# Altium PCB HMI_F767_V1.0_edited.PcbDoc (part 3 of 3) (continued)
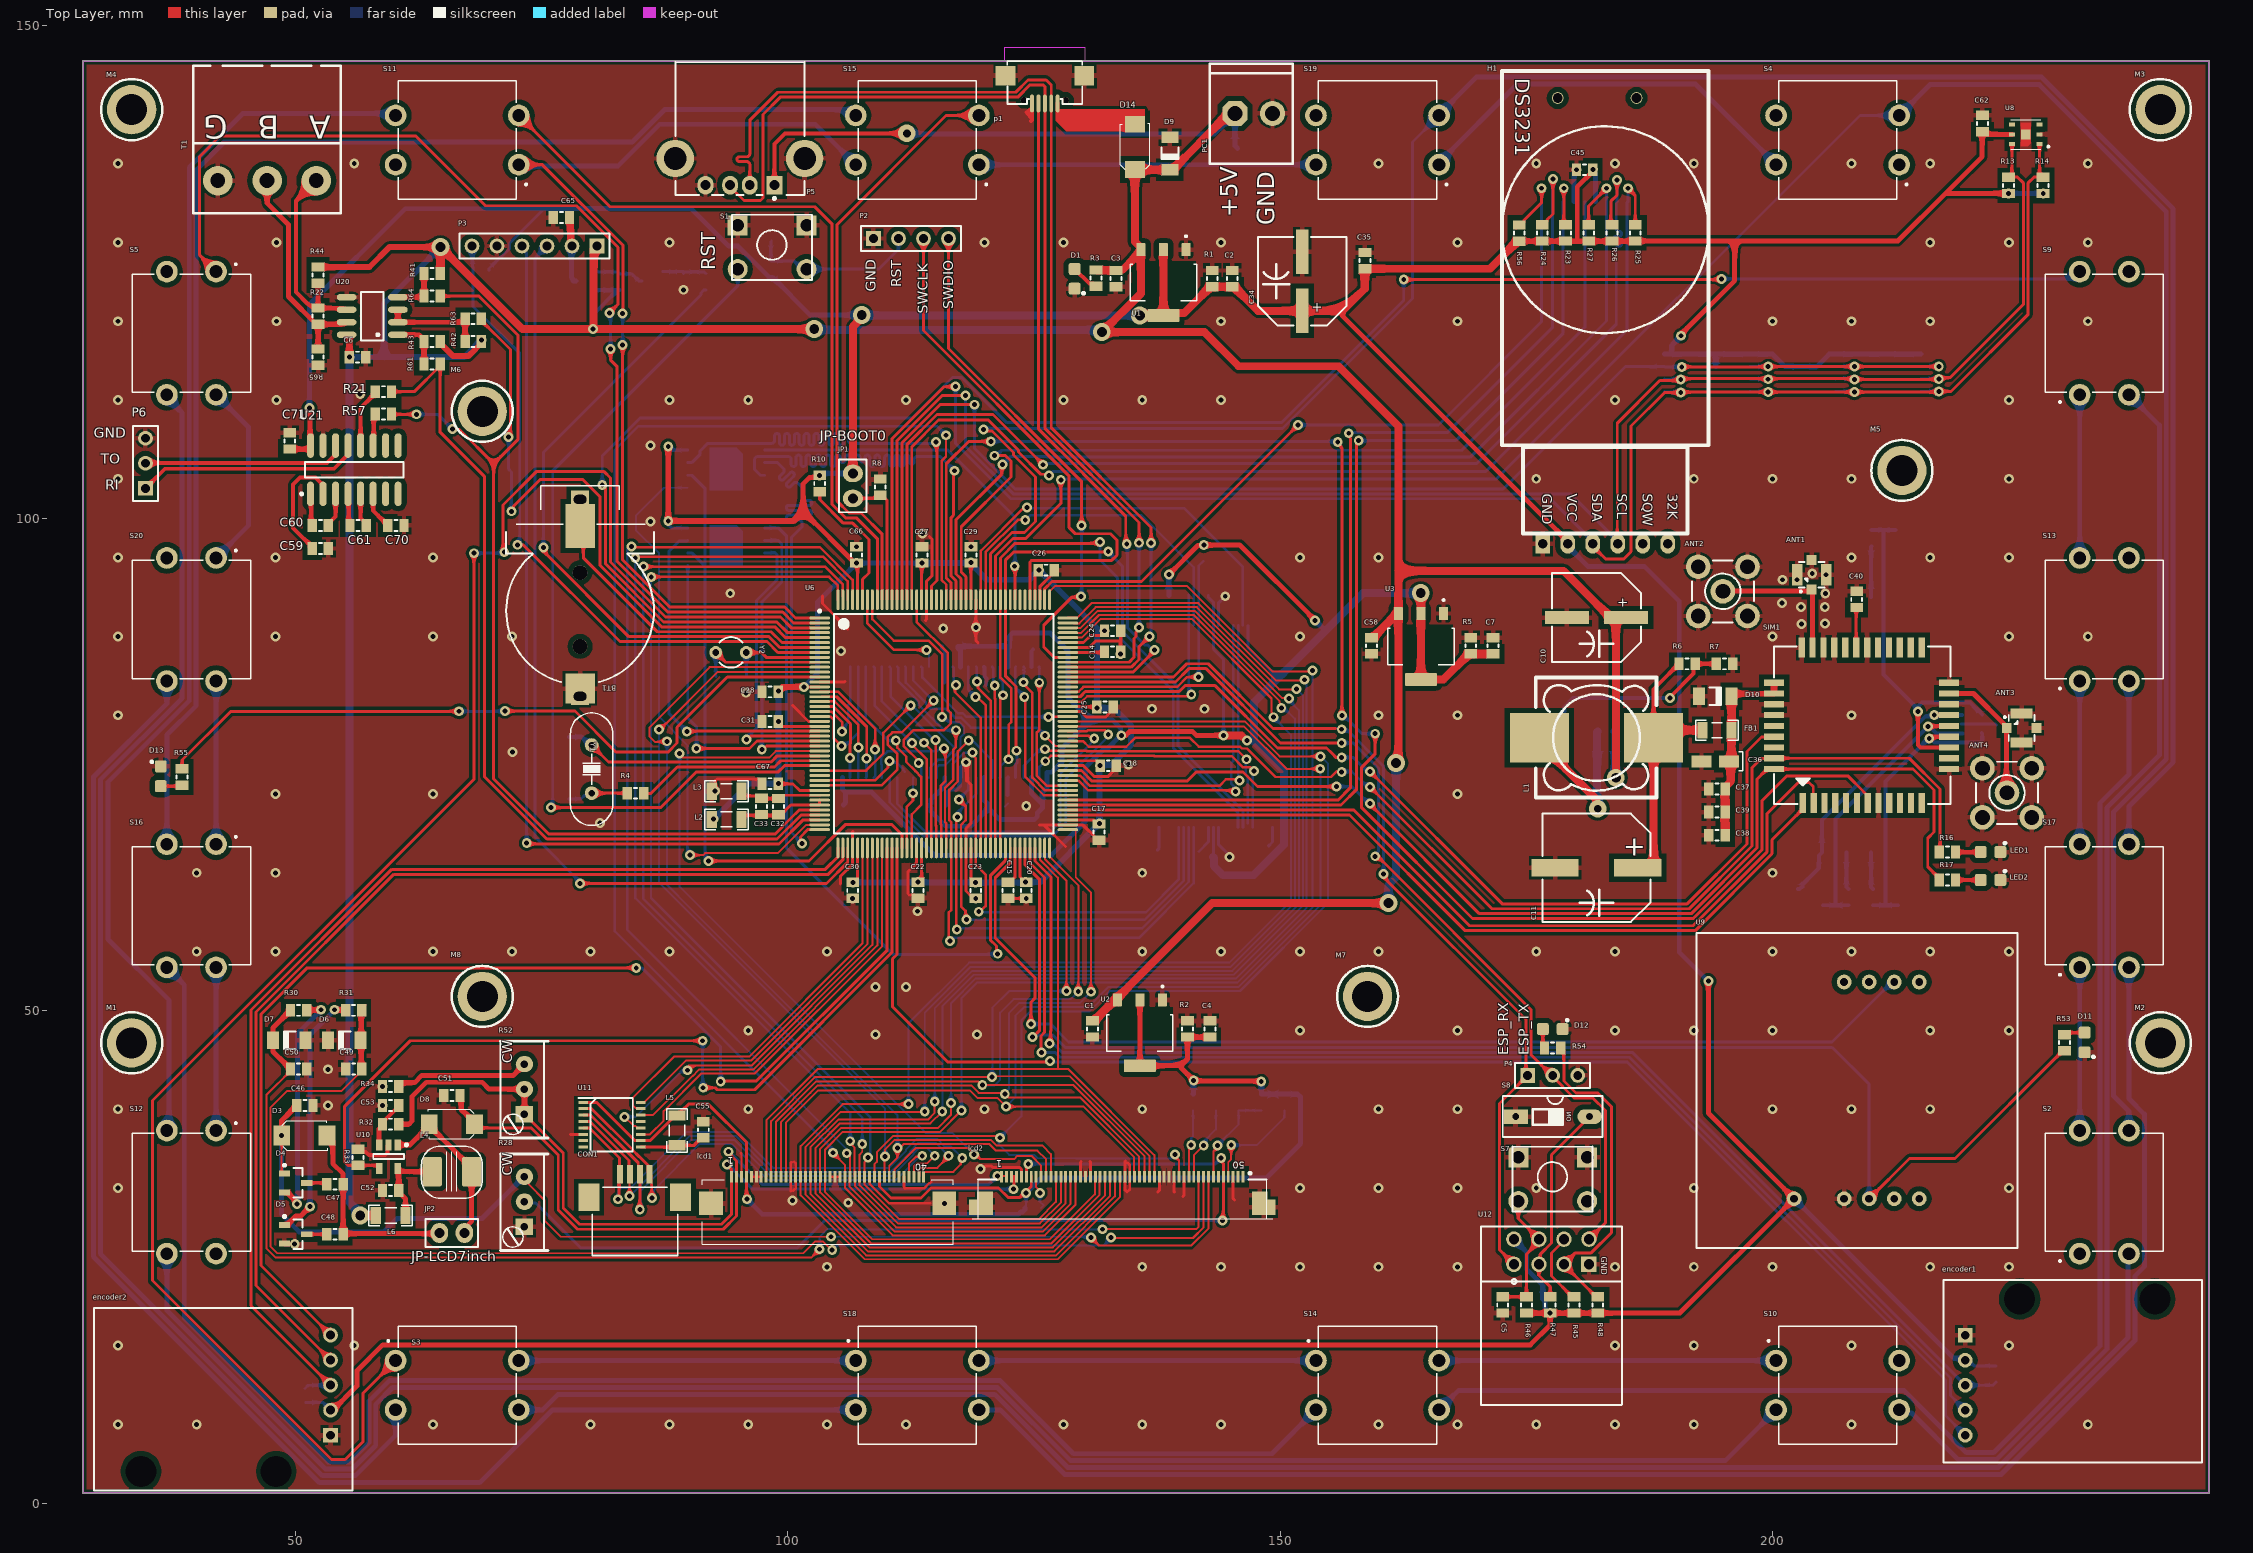
[diagram p0: Top Layer view]
## Nets (pads, with @x,y where several pads share a name; then routed paths per layer and width w, separated by ;. In a path a pad name is that pad's centre, name@x,y a point inside that pad or via, vN(x,y) a via of type N, cw(c..) or ccw(c..) an arc to the next point about the centre after c; other vN are vias at no path point) (continued)
NetC53_1: C53.1 R32.1 U10.3 | length 4.9
  Top Layer w0.4: R32.1@58.865,38.481 58.865,38.656 60.145,39.936 60.24,39.936 60.515,40.211 C53.1@60.515,40.386
  Top Layer w0.5: U10.3@58.527,36.379 58.527,37.968 58.865,38.306 R32.1@58.865,38.481
NetC55_1: C55.1 L5.1 U11.9 | length 6.7
  Top Layer w0.3: U11.9@85.09,36.15 88.587,36.15 L5.1@88.773,36.336 90.516,36.336 91.265,37.085 C55.1@91.44,37.085
NetC59_2: C59.2 U21.2 | length 11.8
  Top Layer w0.4: C59.2@51.725,96.925 51.725,97.1 49.8,99.025 49.8,103.425 50.5,104.125 52.08,104.125 52.83,103.375 U21.2@52.83,102.475
NetC60_1: C60.1 U21.1 | length 3.3
  Top Layer w0.4: U21.1@51.56,102.475 51.617,102.418 51.617,99.383 C60.1@51.725,99.275
NetC60_2: C60.2 U21.3 | length 3.5
  Top Layer w0.4: C60.2@53.375,99.275 53.375,99.45 54.1,100.175 U21.3@54.1,102.475
NetC61_1: C61.1 U21.4 | length 3.3
  Top Layer w0.4: U21.4@55.37,102.475 55.427,102.418 55.427,99.41 C61.1@55.562,99.275
NetC61_2: C61.2 U21.5 | length 3.4
  Top Layer w0.4: U21.5@56.64,102.475 56.64,100.023 57.212,99.45 C61.2@57.212,99.275
NetC70_1: C70.1 U21.6 | length 3.9
  Top Layer w0.4: U21.6@57.91,102.475 57.91,100.765 58.95,99.725 59.125,99.725 59.4,99.45 C70.1@59.4,99.275
NetD1_1: D1.A R3.1 | length 2.9
  Top Layer w0.4: D1.A@129.138,125.307 130.625,123.82 131.022,123.82 R3.1@131.297,123.545
NetD2_2: D2.2 L1.1 U5.2 | length 17.6
  Top Layer w0.8: L1.1@176.318,77.724 176.318,77.224 182.059,71.483 182.059,70.691 v4(182.25,70.5)
  Bottom Layer w0.8: U5.2@182.245,78.359 182.189,78.303 182.189,72.573 D2.2@182.132,72.517 182.191,72.458 182.191,70.559 v4(182.25,70.5)
NetD4_2: D4.2 R30.1 | length 24.1
  Top Layer w0.5: D4.2@48.913,31.562 49.188,31.562 50.079,30.671 50.079,30.471 v1(50.175,30.375) ; R30.1@51.18,50.038 51.211,50.069 52.594,50.069 v1(52.625,50.1)
  Bottom Layer w0.5: v1(50.175,30.375) 50.225,30.425 50.225,47.641 52.625,50.041 v1(52.625,50.1)
NetD5_1: D5.1 R31.2 | length 25.8
  Top Layer w0.5: D5.1@48.638,28.255 D5.1@48.913,28.255 49.188,28.255 50.088,29.155 50.555,29.155 v1(51.5,30.1) ; v1(53.975,50.1) 54.006,50.069 55.086,50.069 R31.2@55.117,50.038
  Bottom Layer w0.5: v1(51.5,30.1) 51.5,47.573 53.975,50.048 v1(53.975,50.1)
NetD8_1: D8.1 JP2.2 L4.1 U10.1 | length 17.2
  Top Layer w0.5: U10.1@60.428,36.379 61.661,36.379 D8.1@63.613,38.331 ; D8.1@63.613,38.481 D8.1@63.613,38.331 ; JP2.2@67.183,27.432 67.183,27.905 67.913,28.635 L4.1@67.913,33.655 67.913,34.155 67.163,34.905 67.039,34.905 D8.1@63.613,38.331
NetD11_1: D11.A R53.1 | length 2.1
  Top Layer w0.3: R53.1@229.625,47.575 229.825,47.775 D11.A@231.675,47.775
NetD12_1: D12.A R54.1 | length 2
  Top Layer w0.3: D12.A@176.673,48.133 176.673,46.403 R54.1@176.848,46.228
NetD13_1: D13.A R55.1 | length 2.2
  Top Layer w0.3: D13.A@36.35,72.8 38.409,72.8 R55.1@38.513,72.905
NetJP1_1: JP1.1 R8.1 U6.166 | length 13.9
  Top Layer w0.3: JP1.1@106.625,102.005 109.08,102.005 R8.1@109.4,102.325 109.575,102.325 110.1,101.8 U6.166@110.1,91.725
NetLED1_A: LED1.A R16.2 | length 2.6
  Top Layer w0.4: R16.2@218.566,66.107 LED1.A@221.123,66.107
NetLED2_A: LED2.A R17.2 | length 2.6
  Top Layer w0.4: R17.2@218.566,63.27 LED2.A@221.123,63.27
NetQ1_2: Q1.3 Q2.3 R49.2 | length 4.9
  Bottom Layer w0.3: Q1.3@80.754,125.029 80.779,125.004 82.768,125.004 82.956,124.816 84.169,124.816 84.717,124.268 84.717,124.229 84.867,124.079 Q2.3@85.217,124.079
NetQ2_1: Q2.1 R50.2 R51.2 | length 4.5
  Bottom Layer w0.3: Q2.1@87.317,125.029 R51.2@89.408,125.029 ; R51.2@89.408,124.841 89.571,125.004 91.531,125.004 R50.2@91.694,124.841
NetR4_1: R4.1 U6.30 | length 18.9
  Top Layer w0.3: R4.1@85.674,72.074 86.124,72.074 88.8,74.75 98.675,74.75 99.3,75.375 U6.30@103.25,75.375
NetR6_1: R6.1 R7.2 U5.4 | length 20.3
  Top Layer w0.4: v1(189.575,81.75) 189.575,81.825 191.972,84.222 191.972,85.039 R6.1@192.15,85.217 R7.2@194.286,85.217
  Bottom Layer w0.4: U5.4@178.845,78.359 178.845,80.845 179.75,81.75 v1(189.575,81.75)
NetR10_1: R10.1 U6.171 | length 13.9
  Top Layer w0.3: R10.1@103.25,102.7 103.25,101.9 105.65,99.5 106.6,99.5 108.25,97.85 108.25,94.45 107.6,93.8 U6.171@107.6,91.725
NetR18_1: R18.1 SIM2.6 | length 5.2
  Bottom Layer w0.4: SIM2.6@209.997,91.989 209.997,97.094 R18.1@210.058,97.155
NetR19_2: R19.2 SIM2.2 | length 3.8
  Bottom Layer w0.4: SIM2.2@207.497,66.062 207.497,62.567 R19.2@207.708,62.356
NetR20_2: R20.2 SIM2.3 | length 3.8
  Bottom Layer w0.4: SIM2.3@209.997,66.062 209.997,62.545 R20.2@210.185,62.357
NetR34_2: R34.2 R52.2 | length 13.8
  Top Layer w0.5: R34.2@60.515,42.291 60.515,42.466 60.74,42.691 62.122,42.691 62.865,43.434 72.136,43.434 R52.2@73.279,44.577
NetR45_2: R45.2 U12.6 | length 7.4
  Top Layer w0.3: U12.6@178.818,26.797 178.818,26.672 177.546,25.4 177.546,23.065 179.657,20.954 R45.2@179.832,20.954
NetR47_1: R47.1 S8.2 U12.2 | length 21
  Top Layer w0.3: R47.1@177.419,20.954 177.419,21.971 176.278,23.112 U12.2@176.278,24.257 176.408,24.387 176.408,25.278 177.546,26.416 177.546,35.366 180.693,38.513 180.693,38.689 181.248,39.243 S8.2@181.423,39.243
NetU4_15: U4.15 U6.169 | length 26.2
  Top Layer w0.25: U6.169@108.6,91.725 108.61,91.715 108.61,89.74 110.775,87.575 114.3,87.575 115.675,86.2 v1(115.675,79.825)
  Bottom Layer w0.25: U4.15@115.15,73.66 115.15,74.725 115.35,74.925 115.997,74.925 117.55,76.478 117.55,77.765 117.906,78.121 117.906,78.821 117.422,79.304 116.396,79.304 115.875,79.825 v1(115.675,79.825)
NetU4_39: U4.39 U6.170 | length 11.3
  Top Layer w0.25: U6.170@108.1,91.725 108.1,89.325 110.796,86.629 v1(114.079,86.629)
  Bottom Layer w0.25: v1(114.079,86.629) 114.116,86.592 114.116,86.459 114.35,86.225 U4.39@114.35,84.9
NetU6_138: U6.138
NetU6_139: U6.139
NetU11_13: U11.13
QUAD_BK1_CS: U6.79 U18.1 | length 71.9
  Top Layer w0.3: v1(121.325,55.775) 121.191,55.909 121.191,56.564 120.575,57.18 120.575,63.707 122.1,65.232 U6.79@122.1,66.525
  Bottom Layer w0.3: U18.1@97.645,99.03 97.647,99.028 99.047,99.028 99.9,98.175 99.9,66.5 110.675,55.725 121.275,55.725 v1(121.325,55.775)
QUAD_BK1_IO0: U6.26 U18.5 | length 31.8
  Top Layer w0.3: v1(90.725,76.625) 96.125,76.625 96.875,77.375 U6.26@103.25,77.375
  Bottom Layer w0.3: U18.5@89.855,95.22 89.855,79.72 90.772,78.803 90.772,76.672 v1(90.725,76.625)
QUAD_BK1_IO1: U6.27 U18.2 | length 29.6
  Top Layer w0.3: v1(97.375,76.525) 97.499,76.525 97.849,76.875 102.35,76.875 U6.27@103.25,76.875
  Bottom Layer w0.3: v1(97.375,76.525) 97.375,91.5 99.4,93.525 99.4,97.375 99.015,97.76 U18.2@97.645,97.76
QUAD_BK1_IO2: U6.25 U18.3 | length 29
  Top Layer w0.3: v1(95.823,77.525) 95.9,77.525 96.25,77.875 U6.25@103.25,77.875
  Bottom Layer w0.3: v1(95.823,77.525) 95.823,77.673 96.825,78.675 96.825,91.657 98.9,93.732 98.9,96.314 98.724,96.49 U18.3@97.645,96.49
QUAD_BK1_IO3: U6.24 U18.7 | length 34.9
  Top Layer w0.3: v1(89.763,78.363) 89.775,78.375 U6.24@103.25,78.375
  Bottom Layer w0.3: v1(89.763,78.363) 87.975,80.15 87.975,96.675 88.989,97.689 89.784,97.689 U18.7@89.855,97.76
QUAD_BK2_CS: U6.140 U19.1 | length 36.7
  Top Layer w0.3: v1(123.05,95.125) 123.1,95.075 U6.140@123.1,91.725
  Bottom Layer w0.3: U19.1@97.645,106.905 116.27,106.905 123.1,100.075 123.1,95.175 v1(123.05,95.125)
QUAD_BK2_IO0: U6.43 U19.5 | length 57.6
  Top Layer w0.2: v1(90.075,65.8) 91.419,65.8 91.619,66 99.014,66 101.889,68.875 U6.43@103.25,68.875
  Bottom Layer w0.2: U19.5@89.855,103.095 87.445,103.095 84.6,100.25 84.6,98.8 86.95,96.45 86.95,79.825 89.825,76.95 89.825,66.175 90.075,65.925 v1(90.075,65.8)
QUAD_BK2_IO1: U6.44 U19.2 | length 58
  Top Layer w0.3: v1(101.45,66.975) 101.316,67.109 101.316,67.627 101.297,67.647 102.025,68.375 U6.44@103.25,68.375
  Bottom Layer w0.3: U19.2@97.645,105.635 98.965,105.635 99.1,105.5 99.56,105.04 cw(c99.347,104.828) 99.56,104.616 99.252,104.308 ccw(c99.429,104.132) 99.252,103.955 ccw(c99.429,104.132) 99.606,103.955 100.252,104.602 cw(c100.429,104.425) 100.606,104.602 cw(c100.429,104.425) 100.606,104.248 99.959,103.601 ccw(c100.136,103.425) 99.959,103.248 ccw(c100.136,103.425) 100.313,103.248 100.62,103.555 cw(c100.832,103.343) 101.045,103.555 101.45,103.15 101.45,103.041 101.45,103.036 101.45,102.105 ccw(c101.75,102.105) 101.75,101.805 102.2,101.805 cw(c102.2,101.555) 102.2,101.305 100.109,101.305 ccw(c100.109,101.055) 100.109,100.805 102.2,100.805 cw(c102.2,100.555) 102.2,100.305 100.109,100.305 ccw(c100.109,100.055) 100.109,99.805 101.15,99.805 cw(c101.15,99.505) 101.45,99.505 101.45,99.355 101.45,99.125 100.4,98.075 100.4,68.094 101.45,67.044 v1(101.45,66.975)
QUAD_BK2_IO2: U6.152 U19.3 | length 57.4
  Top Layer w0.3: v1(116.95,104.823) 116.85,104.723 116.85,100.307 116.6,100.057 116.6,94.141 117.1,93.641 U6.152@117.1,91.725
  Bottom Layer w0.3: U19.3@97.645,104.365 97.245,104.365 96.645,104.965 96.645,106.03 96.874,106.259 99.4,106.259 100.05,106.259 cw(c100.05,105.959) 100.35,105.959 100.35,105.509 ccw(c100.6,105.509) 100.85,105.509 100.85,106.155 cw(c101.1,106.155) 101.35,106.155 101.35,105.509 ccw(c101.6,105.509) 101.85,105.509 101.85,106.155 cw(c102.1,106.155) 102.35,106.155 102.35,105.509 ccw(c102.6,105.509) 102.85,105.509 102.85,106.155 cw(c103.1,106.155) 103.35,106.155 103.35,105.509 ccw(c103.6,105.509) 103.85,105.509 103.85,106.155 cw(c104.1,106.155) 104.35,106.155 104.35,105.509 ccw(c104.6,105.509) 104.85,105.509 104.85,106.155 cw(c105.1,106.155) 105.35,106.155 105.35,105.899 ccw(c105.6,105.899) 105.85,105.899 105.85,106.155 cw(c106.1,106.155) 106.35,106.155 106.35,106.034 ccw(c106.6,106.034) 106.85,106.034 106.85,106.155 cw(c107.1,106.155) 107.35,106.155 107.35,105.949 ccw(c107.6,105.949) 107.85,105.949 107.85,106.155 cw(c108.1,106.155) 108.35,106.155 108.35,105.509 ccw(c108.6,105.509) 108.85,105.509 108.85,106.155 cw(c109.1,106.155) 109.35,106.155 109.35,105.509 ccw(c109.6,105.509) 109.85,105.509 109.85,106.155 cw(c110.1,106.155) 110.35,106.155 110.35,105.509 ccw(c110.6,105.509) 110.85,105.509 110.85,106.155 cw(c111.1,106.155) 111.35,106.155 111.35,105.509 ccw(c111.6,105.509) 111.85,105.509 111.85,106.155 cw(c112.1,106.155) 112.35,106.155 112.35,105.751 ccw(c112.6,105.751) 112.85,105.751 112.85,105.959 cw(c113.15,105.959) 113.15,106.259 115.491,106.259 115.975,105.775 116.927,104.823 v1(116.95,104.823)
QUAD_BK2_IO3: U6.157 U19.7 | length 57.5
  Top Layer w0.3: U6.157@114.6,91.725 114.6,93.125 115.15,93.675 115.15,107.655 v1(115.05,107.755)
  Bottom Layer w0.3: U19.7@89.855,105.635 90.255,105.635 91.122,106.502 91.122,106.833 91.889,107.6 98.225,107.6 98.375,107.6 ccw(c98.375,107.9) 98.675,107.9 98.675,108.35 cw(c98.925,108.35) 99.175,108.35 99.175,107.655 ccw(c99.425,107.655) 99.675,107.655 99.675,108.35 cw(c99.925,108.35) 100.175,108.35 100.175,107.655 ccw(c100.425,107.655) 100.675,107.655 100.675,108.35 cw(c100.925,108.35) 101.175,108.35 101.175,107.655 ccw(c101.425,107.655) 101.675,107.655 101.675,108.35 cw(c101.925,108.35) 102.175,108.35 102.175,107.655 ccw(c102.425,107.655) 102.675,107.655 102.675,108.35 cw(c102.925,108.35) 103.175,108.35 103.175,107.655 ccw(c103.425,107.655) 103.675,107.655 103.675,108.35 cw(c103.925,108.35) 104.175,108.35 104.175,107.655 ccw(c104.425,107.655) 104.675,107.655 104.675,108.35 cw(c104.925,108.35) 105.175,108.35 105.175,107.655 ccw(c105.425,107.655) 105.675,107.655 105.675,108.201 cw(c105.925,108.201) 106.175,108.201 106.175,107.9 ccw(c106.475,107.9) 106.475,107.6 107.775,107.6 114.895,107.6 v1(115.05,107.755)
QUAD_CLK: U6.58 U18.6 U19.6 | length 65.6
  Top Layer w0.3: v1(91.95,65.2) 102.168,65.2 105.888,68.92 110.555,68.92 111.6,67.875 U6.58@111.6,66.525
  Bottom Layer w0.3: U18.6@89.855,96.49 90.255,96.49 91.625,95.12 ; U19.6@89.855,104.365 90.255,104.365 91.625,102.995 91.625,95.12 ; v1(91.95,65.2) 91.625,65.525 91.625,95.12
RFID_INT: R53.2 U6.83 U9.3 | length 144.9
  Top Layer w0.3: U6.83@124.1,66.525 124.1,64.795 125.59,63.305 125.59,48.015 124.9,47.325 v1(124.875,47.325) ; U9.3@209.804,30.91 213.894,35 218.525,35 229.45,45.925 R53.2@229.625,45.925
  Bottom Layer w0.3: v1(124.875,47.325) 125.009,47.459 125.335,47.459 125.401,47.525 126.925,47.525 128.175,46.275 206.05,46.275 209.804,42.521 U9.3@209.804,30.91
RFID_TX: U6.80 U9.7 | length 111.3
  Top Layer w0.3: U6.80@122.6,66.525 122.6,65.025 121.075,63.5 121.075,57.388 125.09,53.373 125.09,51.256 124.7,50.866 v1(124.7,48.65)
  Bottom Layer w0.3: v1(124.7,48.65) 126.7,48.65 128.525,46.825 206.025,46.825 212.11,52.91 U9.7@212.344,52.91
RS485_A: R22.1 R44.2 T1.1 U20.6 | length 20.5
  Top Layer w0.42: T1.1@52.15,134.275 50.1,132.225 50.1,122.95 51.28,121.77 ccw(c52.325,122.816) R22.1@52.325,121.337 ; R44.2@52.325,123.85 R22.1@52.325,121.337 ; U20.6@55.225,121.167 ccw(c54.813,120.755) 54.813,121.337 R22.1@52.325,121.337
RS485_B: R22.2 R65.1 T1.2 U20.7 | length 22.3
  Top Layer w0.5: T1.2@47.15,134.275 47.15,131.975 49.325,129.8 49.325,122.512 52.15,119.688 R22.2@52.325,119.688 ; R65.1@52.325,117.175 R22.2@52.325,119.688 ; U20.7@55.225,119.897 cw(c54.719,120.403) 54.719,119.688 R22.2@52.325,119.688
RS485_DE: R42.2 R63.2 U20.2 U20.3 | length 10.5
  Top Layer w0.5: U20.3@60.425,121.167 U20.2@60.425,119.897 67.025,119.897 R63.2@67.25,120.122 ; R42.2@67.25,117.95 R63.2@67.25,120.122 ; R63.2@67.25,120.25 R63.2@67.25,120.122
RS485_DI: R41.2 R64.2 U20.4 | length 5
  Top Layer w0.5: U20.4@60.425,122.437 60.449,122.461 62.986,122.461 R64.2@63.075,122.55 R41.2@63.075,124.85
RS485_RO: R43.2 R61.2 U20.1 | length 5.3
  Top Layer w0.5: U20.1@60.425,118.627 62.573,118.627 63.075,118.125 R43.2@63.075,117.95 R61.2@63.075,115.65
RST: C12.1 P2.2 R9.2 S1.2 U6.31 | length 108.8
  Top Layer w0.3: v1(75.975,70.625) 87.125,70.625 90.75,74.25 99.05,74.25 99.675,74.875 U6.31@103.25,74.875
  Bottom Layer w0.3: v1(75.975,70.625) 76.15,70.8 76.15,104.825 94.932,123.607 S1.2@94.932,125.285 ; C12.1@98.35,128.125 98.298,128.073 R9.2@98.298,126.111 100.67,126.111 101.495,125.285 S1.2@101.917,125.285 109.235,125.285 111.252,127.302 P2.2@111.252,128.397
SD_CLK: J1.5 U6.150 | length 96.4
  Top Layer w0.3: U6.150@118.1,91.725 118.1,94.055 117.625,94.53 117.625,99.127 122.676,104.178 122.676,105.803 122.129,106.35 v1(120.983,106.35)
  Bottom Layer w0.3: v1(120.983,106.35) 121.173,106.35 121.723,106.9 168.45,106.9 180.934,119.384 180.934,121.4 180.934,129.084 J1.5@180.934,132.164
SD_CMD: J1.3 R27.1 U6.151 | length 101.4
  Top Layer w0.3: U6.151@117.6,91.725 117.6,93.848 117.1,94.348 117.1,99.85 121.725,104.475 121.725,105.35 v1(121.826,105.451) ; R27.1@181.331,129.794 181.331,131.706 v1(183.125,133.5)
  Bottom Layer w0.3: v1(121.826,105.451) 122.655,106.28 126.287,106.28 126.367,106.2 169.3,106.2 183.134,120.034 183.134,120.175 183.134,127.1 J1.3@183.134,132.164 183.129,132.168 183.129,133.646 v1@183.125,133.65
SD_D0: J1.7 R23.1 U6.94 | length 109.3
  Top Layer w0.3: U6.94@128.45,70.875 156.175,70.875 157.775,72.475 157.775,107.699 157.799,107.699 v1(157.975,107.875) ; v1(178.8,133.5) 178.8,129.962 R23.1@178.968,129.794
  Bottom Layer w0.3: v1(157.975,107.875) 167.825,107.875 178.734,118.784 178.734,127.35 178.734,131.887 J1.7@178.734,132.164 178.767,132.197 178.767,133.467 v1(178.8,133.5) ; v1@178.767,133.692 v1@178.8,133.725
SD_D1: J1.8 R24.1 U6.95 | length 110.7
  Top Layer w0.3: U6.95@128.45,71.375 155.875,71.375 157.125,72.625 157.125,108.099 157.097,108.127 157.097,108.491 v1(156.963,108.625) ; R24.1@176.606,129.794 176.781,129.794 177.106,130.119 177.106,130.294 177.7,130.888 v1(177.7,134.425)
  Bottom Layer w0.3: v1(156.963,108.625) 157.063,108.725 167.025,108.725 177.634,119.334 J1.8@177.634,132.164 177.667,132.197 177.667,134.392 v1(177.7,134.425)
SD_D2: J1.1 R25.1 U6.161 | length 116.3
  Top Layer w0.3: U6.161@112.6,91.725 112.6,107.243 115.318,109.961 120.373,109.961 123.442,106.892 123.442,106.721 125.7,104.463 126.397,104.463 v1(126.531,104.329) ; v1(185.325,133.5) 186.055,132.77 R25.1@186.055,129.794
  Bottom Layer w0.3: v1(126.531,104.329) 126.963,104.761 170.889,104.761 185.238,119.11 185.238,132.068 J1.1@185.334,132.164 185.329,132.168 185.329,133.496 v1(185.325,133.5)
SD_D3: J1.2 R26.1 U6.162 | length 118.4
  Top Layer w0.3: U6.162@112.1,91.725 112.1,107.45 115.176,110.526 120.849,110.526 125.825,105.55 125.825,105.54 v1(125.935,105.43) ; R26.1@183.693,129.794 183.575,129.912 183.575,132.175 184.2,132.8 v1(184.2,134.325)
  Bottom Layer w0.3: v1(125.935,105.43) 126.08,105.575 170,105.575 184.125,119.7 184.125,126.669 184.125,127.319 cw(c184.425,127.319) 184.425,127.619 ccw(c184.425,127.869) 184.425,128.119 184.125,128.119 cw(c184.125,128.369) 184.125,128.619 184.425,128.619 ccw(c184.425,128.869) 184.425,129.119 cw(c184.425,129.419) 184.125,129.419 184.125,131.199 184.125,132.055 J1.2@184.234,132.164 184.217,132.181 184.217,134.308 v1(184.2,134.325)
SD_SW: J1.9 R56.1 U6.134 | length 81.6
  Top Layer w0.3: U6.134@126.1,91.725 126.1,92.843 126.841,93.584 135.934,93.584 v1(151.825,109.475) ; R56.1@173.95,129.45 R56.1@174.275,129.775 174.45,129.775 174.775,130.1 174.775,130.275 176.55,132.05 v1(176.55,133.5)
  Bottom Layer w0.3: v1(151.825,109.475) 166.075,109.475 176.542,119.942 176.542,132.156 176.55,132.164 v1(176.55,133.5)
sim_CLK: C44.2 R20.1 SIM1.16 U17.6 | length 29.5
  Top Layer w0.4: v1@216.258,77.819 SIM1.16@217.932,77.819
  Bottom Layer w0.4: R20.1@210.185,60.707 211.455,60.707 ; C44.2@212.725,60.707 211.455,60.707 ; U17.6@221.234,78.205 U17.6@221.283,78.156 221.283,77.449 221.049,77.214 216.434,77.214 216.025,77.624 v1(215.9,77.624) 215.873,77.597 215.773,77.597 211.455,73.279 211.455,60.707
sim_D: C41.2 R18.2 SIM1.15 U17.4 | length 36.3
  Top Layer w0.4: v1(214.754,80.394) 214.754,76.965 214.995,76.724 SIM1.15@217.932,76.724
  Bottom Layer w0.4: R18.2@210.058,98.805 211.264,98.805 ; 211.264,84.138 214.651,80.751 v1@214.754,80.648 ; 211.264,84.264 211.264,98.805 ; C41.2@212.471,98.805 211.264,98.805 ; v1(214.754,80.394) v1@214.754,80.648 ; U17.4@221.283,80.056 220.053,81.286 215.186,81.286 214.869,80.969 214.869,80.671 214.846,80.648 v1@214.754,80.648
sim_RST: C43.2 R19.1 SIM1.17 U17.1 | length 30.6
  Top Layer w0.4: v1(215.773,78.867) 215.797,78.891 217.908,78.891 SIM1.17@217.932,78.915
  Bottom Layer w0.4: C43.2@205.137,60.706 206.375,60.706 ; R19.1@207.708,60.706 206.375,60.706 ; U17.1@219.296,78.15 216.652,78.15 215.935,78.867 v1(215.773,78.867) 206.375,69.469 206.375,60.706
sim_VCC: C42.2 SIM1.18 SIM2.1 U17.3 | length 28.3
  Top Layer w0.4: v1(216.408,80.01) SIM1.18@217.932,80.01
  Bottom Layer w0.4: C42.2@202.565,62.356 202.74,62.356 203.015,62.631 203.015,62.806 204.697,64.488 204.697,65.762 SIM2.1@204.997,66.062 204.997,69.364 215.528,79.895 216.293,79.895 v1(216.408,80.01) U17.3@219.215,80.01
SWCLK: P2.3 U6.137 | length 55.3
  Top Layer w0.3: P2.3@113.792,128.397 113.792,119.06 128.581,104.271 128.581,99.042 129.198,98.425 132.775,98.425 133.425,97.775 133.425,96.25 132.9,95.725 124.776,95.725 124.6,95.549 U6.137@124.6,91.725
SWDIO: P2.4 U6.124 | length 52.1
  Top Layer w0.3: P2.4@116.332,128.397 116.332,117.227 129.85,103.709 v1(129.85,99.275) ; U6.124@128.45,85.875 127.05,85.875 125.999,86.926 125.999,89.124 128.85,91.975 129.725,91.975 v1(129.8,92.05)
  Bottom Layer w0.3: v1(129.8,92.05) 129.85,92.1 v1(129.85,99.275)
TOUCH_CS: U6.50 U11.15 | length 41.2
  Top Layer w0.2: U11.15@85.09,40.05 85.038,40.102 84.572,40.102 84.295,40.38 84.295,41.17 88.463,45.338 96.113,45.338 107.6,56.825 U6.50@107.6,66.525
TOUCH_MISO: U6.52 U11.12 | length 44.8
  Top Layer w0.2: v1(83.425,39.225) 84.352,38.298 84.55,38.298 84.747,38.1 U11.12@85.09,38.1 ; v1(89.82,43.955) 89.779,44.279 89.925,44.425 96.331,44.425 108.6,56.694 U6.52@108.6,66.525
  Bottom Layer w0.2: v1(83.425,39.225) 84.575,39.225 89.48,44.13 89.654,43.955 v1(89.82,43.955)
TOUCH_MOSI: U6.53 U11.14 | length 41
  Top Layer w0.2: U11.14@85.09,39.4 86.292,39.4 90.377,43.382 ccw(c89.82,43.955) 90.397,43.401 90.883,43.908 91,44.025 96.497,44.025 109.1,56.628 U6.53@109.1,66.525
TOUCH_PEN: U6.54 U11.11 | length 43
  Top Layer w0.2: U11.11@85.09,37.45 86.025,37.45 87.414,38.839 87.414,39.812 91.228,43.625 96.663,43.625 109.6,56.562 U6.54@109.6,66.525
TOUCH_SCK: U6.51 U11.16 | length 39.4
  Top Layer w0.2: U11.16@85.09,40.7 85.433,40.7 89.67,44.938 96.278,44.938 108.1,56.759 U6.51@108.1,66.525
U/D: lcd2.40 R36.1 | length 7.7
  Top Layer w0.2: lcd2.40@141.232,33.147 141.232,35.314 v1(142.24,36.322)
  Bottom Layer w0.2: v1(142.24,36.322) 142.24,36.703 143.478,37.941 R36.1@143.478,39.878
USB_DM: p1.2 P5.2 U6.122 | length 111.8
  Top Layer w0.3: P5.2@96.157,133.815 96.157,135.75 96.157,135.9 ccw(c95.857,135.9) 95.857,136.2 95.106,136.2 cw(c95.106,136.45) 95.106,136.7 95.857,136.7 ccw(c95.857,137) 96.157,137 96.157,138.218 96.157,140.407 99,143.25 123.154,143.25 124.404,144.5 126.25,144.5 126.761,143.989 p1.2@126.761,142.11 126.761,109.196 136.9,99.057 v1(136.9,97.5) ; U6.122@128.45,84.875 134.882,84.875 135.675,85.668 135.675,86.95 v1(136.726,88.001)
  Bottom Layer w0.3: v1(136.726,88.001) 136.726,88.177 136.9,88.351 v1(136.9,97.5)
USB_DP: p1.3 P5.3 U6.123 | length 111.7
  Top Layer w0.3: P5.3@94.157,133.815 94.157,133.665 95.572,132.25 97.25,132.25 97.5,132.5 97.5,141 99.25,142.75 123.361,142.75 124.611,144 125.935,144 126.111,143.824 p1.3@126.111,142.11 126.111,109.139 135.682,99.568 v1(135.682,97.505) ; U6.123@128.45,85.375 134.675,85.375 135.175,85.875 135.175,87.8 135.38,88.005 135.38,88.425 135.672,88.717 v1(135.672,88.906)
  Bottom Layer w0.3: v1(135.672,88.906) 135.677,88.911 135.677,97.5 v1(135.682,97.505)
USBID: p1.4 U6.121 | length 70.5
  Top Layer w0.3: p1.4@125.461,142.11 125.45,142.099 125.45,109.093 130.059,104.484 130.059,104.466 134.325,100.2 134.325,97.5 v1(134.425,97.4) ; U6.121@128.45,84.375 135.089,84.375 137.25,86.536 v1(137.25,86.625)
  Bottom Layer w0.3: v1(134.425,97.4) 134.5,97.325 134.5,88.876 136.225,87.151 136.535,87.151 137.061,86.625 v1(137.25,86.625)
Vcom: lcd2.6 lcd2.46 R28.3 | length 101.7
  Top Layer w0.3: lcd2.6@124.232,33.147 124.232,34.257 v1(124.425,34.45) ; v1(144.018,35.052) 144.152,34.918 144.152,34.565 144.232,34.485 144.232,32.543 144.232,28.789 v1(144.145,28.702)
  Bottom Layer w0.3: R28.3@73.279,30.607 73.405,30.481 74.421,30.481 78.994,25.908 100.965,25.908 103.759,28.702 v1(144.145,28.702) ; v1(124.425,34.45) 143.416,34.45 v1(144.018,35.052)
VDDA: C32.2 C33.2 L2.2 U6.38 U6.39 | length 8.9
  Top Layer w0.3: L2.2@95.31,69.8 95.335,69.825 97.35,69.825 99.05,69.825 99.075,69.8 99.25,69.8 100.325,70.875 U6.39@103.25,70.875 U6.38@103.25,71.375
VSSA: C32.1 C33.1 L3.2 U6.37 | length 8.6
  Top Layer w0.3: L3.2@95.31,72.275 95.31,72.17 95.68,71.8 97.025,71.8 C33.1@97.375,71.45 ; C33.1@97.35,71.575 97.4,71.525 99,71.525 99.075,71.45 99.25,71.45 99.675,71.875 U6.37@103.25,71.875
X+: CON1.4 lcd1.37 U11.2 | length 48.1
  Top Layer w0.2: CON1.4@85.979,33.401 86.184,33.196 86.184,31.037 v1(86.233,30.988) ; lcd1.37@112.315,33.147 112.315,34.464 113.03,35.179 113.576,35.179 v1(113.665,35.268)
  Top Layer w0.3: U11.2@79.254,40.05 79.257,40.048 80.094,40.048 84.245,35.897 84.245,35.853 84.922,35.176 84.966,35.176 85.824,34.317 85.824,33.556 CON1.4@85.979,33.401
  Bottom Layer w0.2: v1(86.233,30.988) 86.386,31.141 86.386,31.776 91.097,36.487 94.311,36.487 97.973,32.825 111.006,32.825 113.449,35.268 v1(113.665,35.268)
X-: CON1.2 lcd1.39 U11.4 | length 52.5
  Top Layer w0.2: CON1.2@83.88,33.494 83.947,33.426 v1(83.947,31.173) ; lcd1.39@113.315,33.147 113.365,33.197 113.365,33.871 113.541,34.047 115.2,34.047 116.332,35.179 v1(116.332,35.268)
  Top Layer w0.3: U11.4@79.254,38.75 79.257,38.748 79.936,38.748 83.88,34.803 CON1.2@83.88,33.494
  Bottom Layer w0.2: v1(83.947,31.173) 90.061,37.287 94.735,37.287 98.397,33.625 110.453,33.625 112.399,35.571 112.399,35.699 113.276,36.576 115.024,36.576 v1(116.332,35.268)
Y+: CON1.3 lcd1.38 U11.3 | length 53
  Top Layer w0.2: lcd1.38@112.815,33.147 112.815,34.202 113.081,34.468 114.135,34.468 v1(114.935,35.268)
  Top Layer w0.3: U11.3@79.254,39.4 79.257,39.398 79.993,39.398 84.834,34.557 CON1.3@84.834,33.401 ; v1(84.988,29.819) CON1.3@84.988,33.401
  Bottom Layer w0.2: v1@85.083,29.956 85.083,31.743 90.227,36.887 94.57,36.887 98.232,33.225 110.619,33.225 112.799,35.405 112.799,35.534 113.334,36.068 114.135,36.068 v1(114.935,35.268)
  Bottom Layer w0.3: v1(84.988,29.819) 84.988,29.862 v1@85.083,29.956
Y-: CON1.1 lcd1.40 U11.5 | length 56.2
  Top Layer w0.2: lcd1.40@113.815,33.147 113.815,33.597 113.865,33.647 116.832,33.647 117.576,34.391 117.576,34.899 v1(117.729,35.052)
  Top Layer w0.3: U11.5@79.254,38.1 79.257,38.098 79.878,38.098 82.931,35.045 CON1.1@82.931,33.507 ; v1(82.789,30.857) 82.886,30.953 82.886,33.305 CON1.1@82.982,33.401
  Bottom Layer w0.2: v1(82.789,30.857) 82.789,31.672 83.09,31.973 84.043,31.973 89.757,37.687 94.901,37.687 98.563,34.025 110.275,34.025 111.999,35.749 111.999,35.865 113.11,36.976 115.19,36.976 115.971,36.195 116.586,36.195 v1(117.729,35.052)
pads on no net: BT1.0 CON1.5 CON1.6 encoder1.S encoder2.S H1.5 H1.6 J1.0 L4.0 lcd1.35 lcd2.45 lcd2.49 lcd2.50 M1.S M2.S M3.S M4.S M5.S M6.S M7.S M8.S p1.H SIM1.3 SIM1.4 SIM1.5 SIM1.6 SIM1.9 SIM1.10 SIM1.11 SIM1.12 SIM1.14 SIM1.22 SIM1.23 SIM1.24 SIM1.25 SIM1.26 SIM1.29 SIM1.38 SIM1.40 SIM2.5 U4.40 U6.33 U6.118 U6.141 U6.155 U6.156 U7.1 U7.2 U7.3 U7.4 U7.5 U7.6 U7.10 U7.11 U7.14 U7.15 U7.20 U7.21 U7.22 U7.23 U7.24 U7.26 U7.27 U7.28 U7.33 U7.34 U7.35 U7.39 U7.40 U7.45 U7.46 U7.47 U8.3 U8.4 U9.4 U9.5 U9.6 U9.8 U9.9 U11.7 U11.8 U18.9 U19.9 U21.7 U21.8 U21.9 U21.10

## Polygon pours and split planes (outlines as drawn)
GND on Bottom Layer "GND_L02_P001" (solid, pour order 1): 28.448,146.431 244.583,146.431 244.316,1.016 28.448,1.016
GND on Top Layer "GND_L01_P000" (solid, pour order 0): 28.225,146.525 244.083,146.525 244.093,1.11 28.225,1.11

## Keep-outs
Keep-Out Layer:
  the board outline again, w0.2

## Other copper
Top Layer:
  pour cut-out: 132.634,50.4 132.6,46.4 139.2,46.4 139.15,46.45 139.15,50.4
  pour cut-out: 134.934,126.1 134.9,122.1 141.5,122.1 141.45,122.15 141.45,126.1
  pour cut-out: 161.034,89.2 161,85.2 167.6,85.2 167.55,85.25 167.55,89.2
  region net GND: 124.656,141.799 124.066,141.251 124.097,141.15 124.738,140.363
  region net +5_vbus: 127.475,141.525 127.475,140.375 128.375,139.475 136.25,139.475 136.25,141.525

## Silkscreen, mask and mechanical layers (free items; w line width, h text height)
Top Overlay:
  lines w0.4: 175.95,74.6 175.95,71.624 176.018,71.624 ; 175.95,80.825 175.95,83.824 176.018,83.824 ; 188.218,71.624 188.225,71.624 188.225,74.575 ; 188.218,81.043 188.218,83.824
  text "+5V" at 146.258,130.55 h3 r90
  text "GND" at 150.008,129.75 h3 r90
  text "RST" at 93.14,125.2 h2.5 r90
  text "RST" at 111.875,123.466 h1.8 r90
  text "GND" at 109.275,122.973 h1.8 r90
  text "SWDIO" at 117.15,121.213 h1.8 r90
  text "SWCLK" at 114.575,120.775 h1.8 r90
  text "GND" at 29.575,107.825 h1.8
  text "JP-BOOT0" at 103.25,107.5 h1.8
  text "TO" at 30.275,105.2 h1.8
  text "RI" at 30.7,102.55 h1.8
  text "ESP_RX" at 173.498,45.475 h1.8 r90
  text "ESP_TX" at 175.573,45.475 h1.8 r90
  text "JP-LCD7inch" at 61.775,24.2 h1.8
Bottom Overlay:
  circle w0.254: c96.2,106.85 r0.6
  circle w0.254: c96.2,99.125 r0.6
  circle w0.254: c126.325,75.65 r0.6
  lines w0.1: 200.447,65.532 204.35,65.532 ; 210.75,65.532 217.297,65.532
Mechanical 13:
  lines w0.3: 31.369,25.184 54.025,25.184 54.025,4.064 ; 31.496,125.184 54.025,125.184 ; 219.025,4.064 219.025,25.184 242.824,25.184 ; 219.025,125.184 242.824,125.184

## Text inside footprints (layer, text, board x,y; h text height)
C10: Top Overlay "+" at 184.218,91.016 h1
C11: Top Overlay "+" at 184.818,65.716 h2
C34: Top Overlay "+" at 153.352,121.953 h1 r270
H1: Top Overlay "DS3231" at 173.355,144.653 h2.54 r270; Top Overlay "32K" at 188.976,102.489 h1.7 r270; Top Overlay "SQW" at 186.436,102.489 h1.7 r270; Top Overlay "SCL" at 183.896,102.489 h1.7 r270; Top Overlay "SDA" at 181.356,102.489 h1.7 r270; Top Overlay "VCC" at 178.816,102.489 h1.7 r270; Top Overlay "GND" at 176.276,102.489 h1.7 r270
lcd1: Top Overlay "40" at 114.197,34.714 h1.2 r180; Top Overlay "1" at 94.512,35.362 h1.2 r180
lcd2: Top Overlay "1" at 121.793,35.052 h1.2 r180; Top Overlay "50" at 146.431,34.912 h1.2 r180
p1: Mechanical 1 "PCB EDGE" at 123.698,146.658 h0.7
R28: Top Overlay "CW" at 72.06,33.223 h1 r90
R52: Top Overlay "CW" at 72.06,44.653 h1 r90
S8: Top Overlay "ON" at 179.123,38.743 h0.5 r270
T1: Top Overlay "A   B   G" at 53.627,141.641 h4 r180
U12: Top Overlay "GND" at 182.388,25.019 h1 r270